# Altium PCB APB.PcbDoc (part 2 of 3)
Units mm, origin at the board's own origin, x right, y up, seen from the top; angles counter-clockwise.
Board outline 70 x 120 mm, 4 copper layers (Top Layer, Internal Plane 1, Internal Plane 2, Bottom Layer); 191 components, 179 nets, 920 pads, 302 vias.
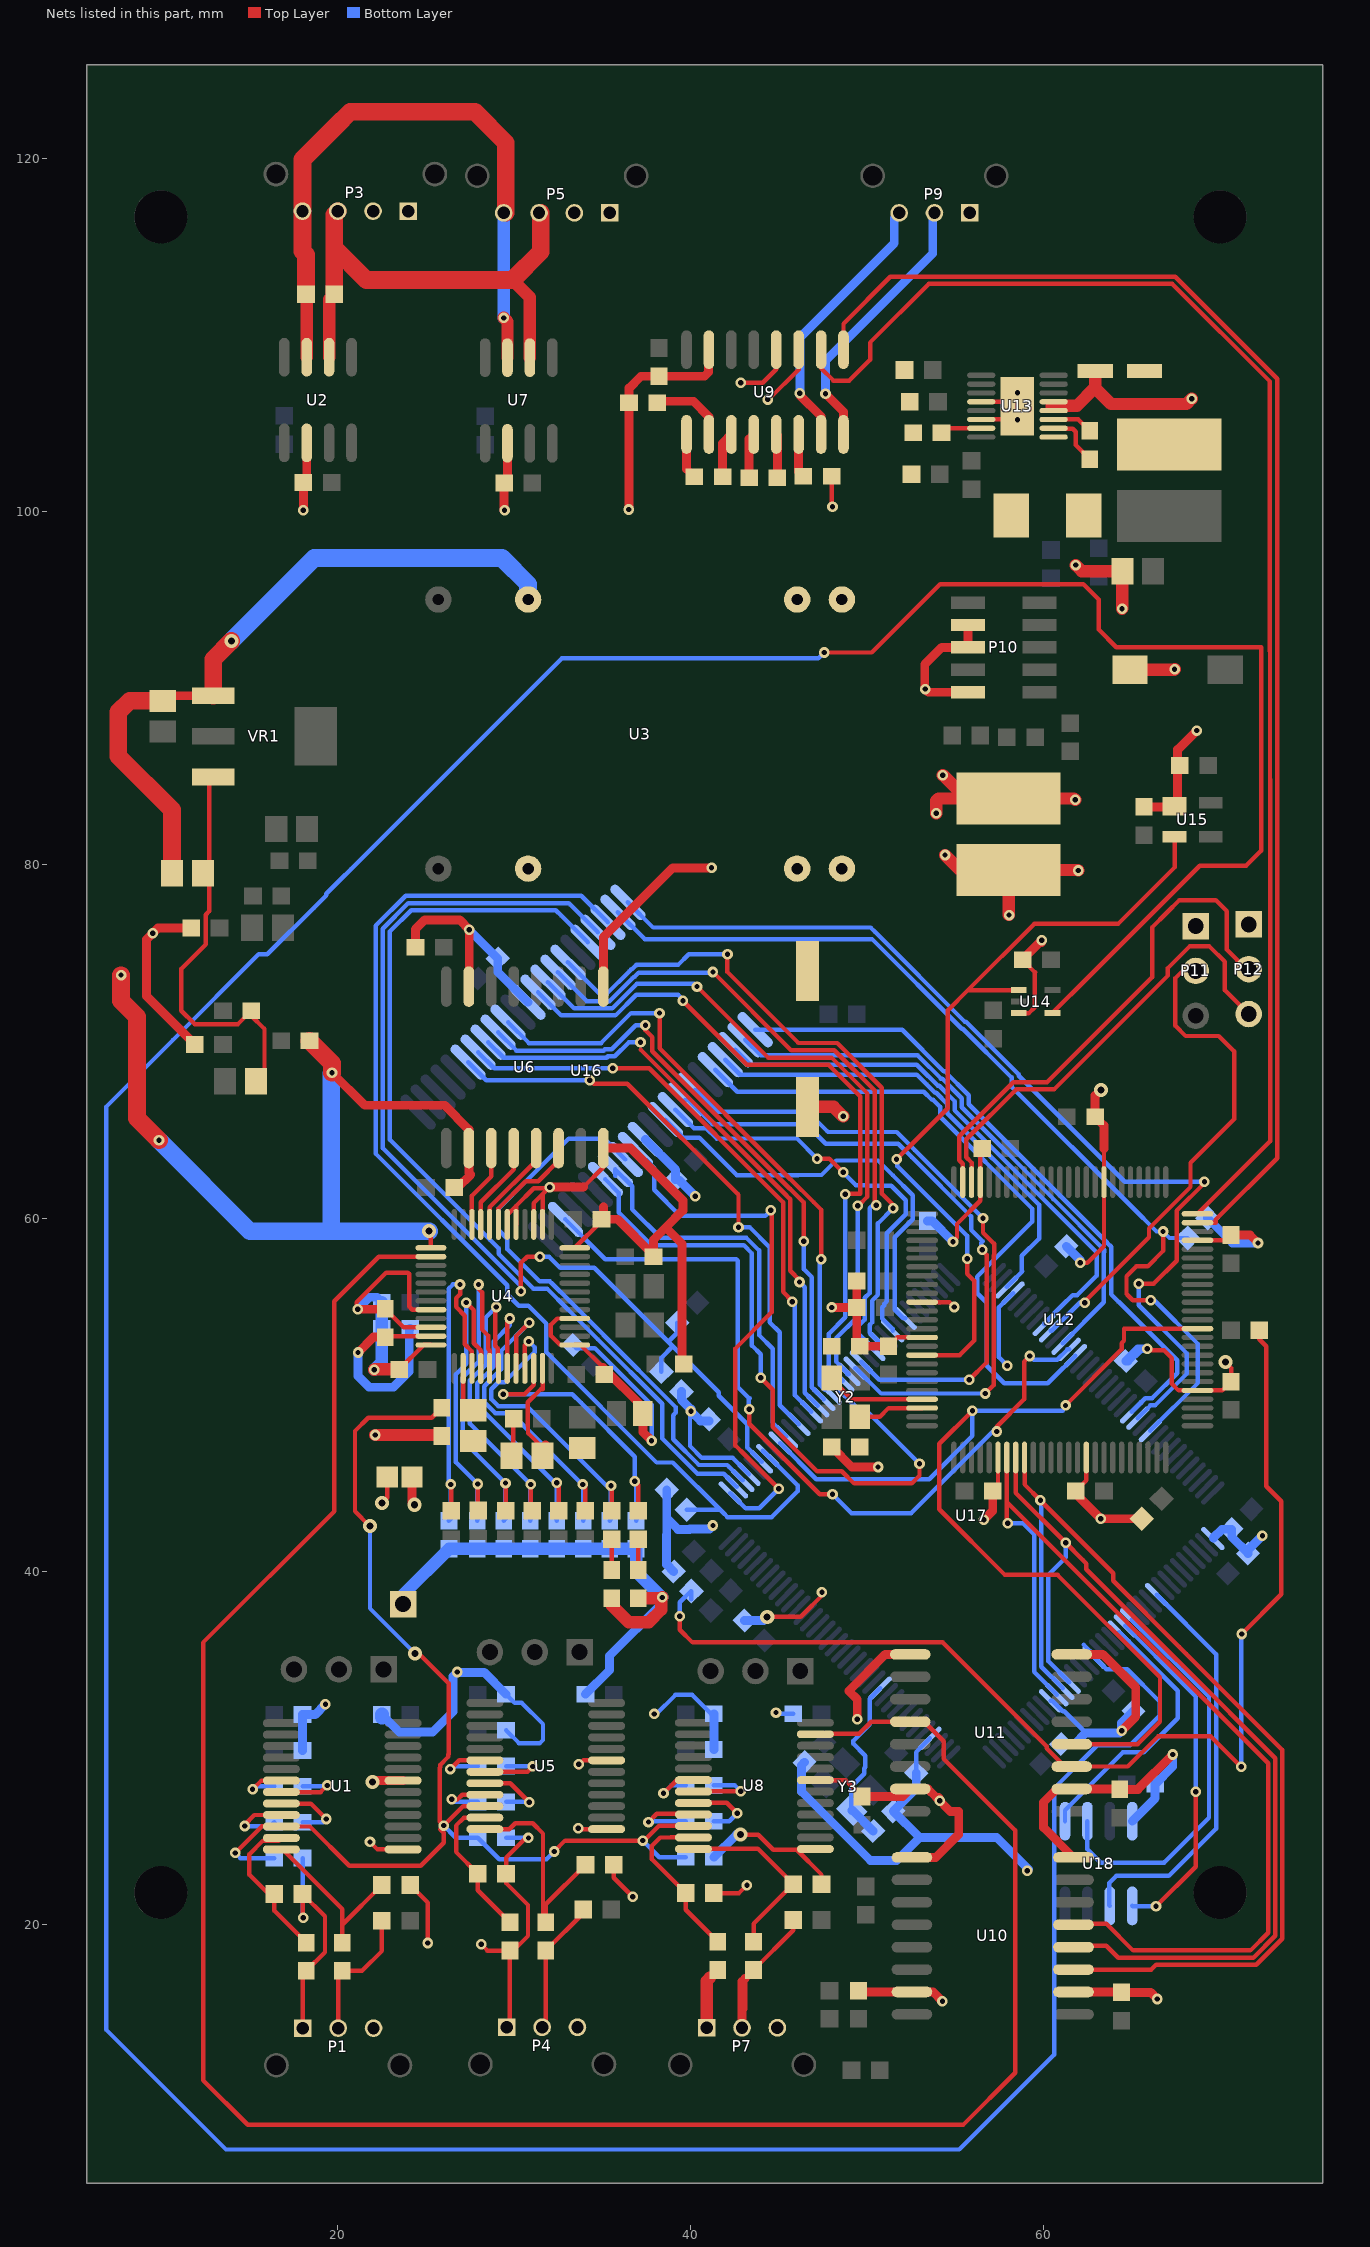
[diagram p4: the nets of this part, all layers, seen from the top]

## Via types
v1: diameter 0.6, hole 0.3, Top Layer to Bottom Layer, tented both sides, 287 vias
v2: diameter 0.8, hole 0.4, Top Layer to Bottom Layer, tented both sides, 14 vias
v3: diameter 0.8, hole 0.4, Top Layer to Bottom Layer, 1 vias

## Nets (pads, with @x,y where several pads share a name; then routed paths per layer and width w, separated by ;. In a path a pad name is that pad's centre, name@x,y a point inside that pad or via, vN(x,y) a via of type N, cw(c..) or ccw(c..) an arc to the next point about the centre after c; other vN are vias at no path point) (continued)
A5: U16.18 U17.38 | length 53.4
  Bottom Layer w0.25: 22.969,69.45 22.969,76.228 24.18,77.439 32.368,77.439 32.689,77.118 ; 28.663,58.751 29.128,58.286 29.128,57.969 31.092,56.004 31.874,56.004 ; 33.038,54.84 33.065,54.813 34.733,53.145 ; 38.394,48.771 38.394,47.51 40.394,45.51 41.876,45.51 U17.38@42.607,44.779
  Bottom Layer w0.254: 22.969,69.45 22.969,64.445 28.663,58.751 ; 31.874,56.004 33.038,54.84 ; 32.689,77.118 U16.18@34.189,75.618 ; 34.733,53.145 38.394,49.485 38.394,48.771
A6: R37.2 R38.1 U16.19 U17.42 | length 61
  Top Layer w0.25: 30.744,57.81 v1(31.469,57.81)
  Top Layer w0.254: v1(30.394,55.86) 30.394,57.46 30.744,57.81
  Bottom Layer w0.25: 22.565,69.575 22.565,76.39 24.014,77.839 33.099,77.839 33.2,77.739 ; v1(31.469,57.81) 31.986,57.81 32.611,57.185 34.547,57.185 38.745,52.986 ; R37.2@38.353,51.3 38.353,52.09 38.997,52.735 38.745,52.986 ; R38.1@39.253,54.069 39.253,53.494 38.745,52.986
  Bottom Layer w0.254: 22.565,69.575 22.565,63.964 v1@30.394,56.135 ; 33.2,77.739 U16.19@34.755,76.183 ; 38.997,52.735 41.602,50.129 41.602,49.926 43.219,48.31 43.219,46.996 U17.42@44.021,46.193
A7: R40.2 U16.20 U17.43 | length 67.1
  Bottom Layer w0.25: 22.161,63.649 29.615,56.195 29.615,55.681 ; 22.161,69.994 22.161,76.552 23.869,78.26 33.81,78.26 33.927,78.143 ; 30.819,55.028 31.839,54.007 31.839,53.949 31.839,52.389 38.077,46.151 39.002,46.151 ; R40.2@39.784,43.469 41.684,43.469 41.848,43.305 ; 42.092,43.062 44.274,43.062
  Bottom Layer w0.254: 22.161,63.649 22.161,69.994 ; 29.615,55.681 30.268,55.028 30.819,55.028 ; 33.927,78.143 U16.20@35.321,76.749 ; 39.002,46.151 41.684,43.469 ; 41.848,43.305 42.092,43.062 ; 44.274,43.062 44.276,43.06 44.422,43.06 44.594,43.06 46.069,44.535 46.069,44.853 U17.43@44.375,46.546 ; U17.43@44.375,46.546 44.097,46.825 U17.43@44.375,46.546
A8: R44.2 U16.21 U17.98 | length 56.3
  Top Layer w0.25: 64.737,55.654 64.695,55.696 64.695,56.703 65.252,57.26 65.894,57.26 66.769,58.135 v1(66.769,59.235)
  Top Layer w0.254: 64.737,55.654 65.056,55.335 v1(66.069,55.335) v1@66.129,55.395
  Bottom Layer w0.25: 64.969,60.659 66.394,59.235 v1(66.769,59.235) 66.769,59.23 67.13,58.869 R44.2@68.153,58.869
  Bottom Layer w0.254: U16.21@35.886,77.315 37.399,75.802 50.28,75.802 55.355,70.727 55.422,70.727 58.186,67.963 58.186,67.443 64.969,60.659 ; U17.98@66.048,47.96 68.744,50.656 68.744,52.867 66.276,55.335 v1(66.069,55.335)
A9: U16.22 U17.96 | length 57.1
  Top Layer w0.25: v1(65.394,56.285) 66.244,56.285 67.544,57.585 67.544,60.419 69.11,61.986 v1(69.11,62.051)
  Bottom Layer w0.25: 61.941,64.712 64.602,62.051 v1(69.11,62.051)
  Bottom Layer w0.254: U16.22@36.452,77.88 37.877,76.455 50.198,76.455 50.447,76.206 55.523,71.131 55.59,71.131 58.59,68.131 58.59,68.064 61.941,64.712 ; U17.96@65.341,48.668 66.054,49.381 66.311,49.381 68.119,51.188 68.119,52.327 65.392,55.054 v1@65.392,56.283
A10: U16.23 U17.95 | length 37.8
  Bottom Layer w0.25: 63.597,58.603 63.825,58.375 63.825,57.894 63.819,57.888
  Bottom Layer w0.254: U16.23@43.664,70.668 51.986,70.668 54.351,68.303 54.418,68.303 55.762,66.959 55.762,66.438 63.597,58.603 ; 63.819,57.888 63.819,55.685 64.242,55.262 64.249,55.262 64.646,54.865 64.646,54.858 67.569,51.935 67.569,51.21 66.144,49.785 65.751,49.785 U17.95@64.987,49.021
A11: U16.24 U17.84 | length 31.8
  Bottom Layer w0.254: U16.24@43.099,70.102 43.992,69.21 52.873,69.21 52.99,69.092 54.184,67.899 54.251,67.899 55.358,66.792 55.358,66.725 55.358,66.271 60.556,61.073 63.423,58.206 63.423,58.063 63.415,58.055 63.415,55.227 U17.84@61.098,52.91
A12: U16.25 U17.81 | length 31
  Bottom Layer w0.25: 61.033,55.024 61.644,55.635 61.907,55.635
  Bottom Layer w0.254: U16.25@42.533,69.537 43.382,68.688 52.823,68.688 52.992,68.519 54.016,67.495 54.084,67.495 54.954,66.625 54.954,66.557 54.954,66.104 63.011,58.047 63.011,56.738 61.907,55.635 ; U17.81@60.037,53.971 60.037,54.028 61.033,55.024
A13: U16.26 U17.75 | length 26.9
  Bottom Layer w0.25: 58.801,56.977 58.769,57.01 58.769,57.86 59.748,58.839
  Bottom Layer w0.254: U16.26@41.967,68.971 42.823,68.115 52.825,68.115 53.376,67.564 53.849,67.091 53.916,67.091 54.55,66.457 54.55,66.39 54.55,65.936 59.748,60.738 59.748,60.603 59.748,58.839 ; U17.75@57.916,56.092 58.801,56.977
A14: U16.27 U17.86 | length 38
  Bottom Layer w0.25: 56.776,55.202 56.776,51.627 57.769,50.635 60.237,50.635 60.462,50.86
  Bottom Layer w0.254: U16.27@41.402,68.405 42.647,67.16 53.209,67.16 53.682,66.687 53.749,66.687 54.146,66.29 54.146,66.223 54.146,65.769 54.146,65.733 59.344,60.535 59.344,59.785 56.244,56.685 56.244,55.735 56.776,55.202 ; 60.462,50.86 U17.86@61.805,52.203
A15: U16.42 U17.85 | length 46.5
  Top Layer w0.254: v1(43.322,49.174) 43.322,48.349 46.86,44.812 47.312,44.36 v1(48.044,44.36) v1@48.119,44.285 ; v1(57.344,47.91) 57.344,48.185 58.894,49.735 58.894,51.86 v1(59.219,52.185)
  Bottom Layer w0.254: U16.42@32.916,59.92 35.176,57.661 42.582,57.661 42.672,57.571 42.672,50.428 43.294,49.806 ; v1(43.322,49.174) 43.294,49.203 43.294,49.806 ; 43.369,49.785 43.315,49.785 43.294,49.806 ; v1(48.044,44.36) 48.119,44.285 49.119,43.285 52.494,43.285 57.344,48.135 57.344,48.184 v1(57.344,47.91) ; v1(59.219,52.185) 59.432,51.971 60.762,51.971 61.348,52.557 U17.85@61.452,52.557
AGND: C1.1 C3.2 C7.2 C11.1 C13.1 C16.1 C17.1 C18.2 C22.1 C24.1 C27.1 C28.2 C32.2 C60.1 C62.2 C64.2 C65.1 C66.2 C67.1 C70.2 C71.1 C73.1 C74.2 C75.1 C76.1 C77.2 C78.1 C79.1 C80.1 C81.1 C82.1 C83.1 C85.2 C87.2 C89.1 C94.2 J1.1 NT1.2 P1.1 P1.3 P4.1 P4.3 P7.1 P7.3 R1.1 R4.1 R5.1 R11.1 R15.1 R18.1 U1.1 U4.1 U4.4 U4.32 U4.34 U4.36 U5.1 U8.1 | length 167.7
  Top Layer w0.25: v1(18.069,20.36) 18.024,20.404 R1.1@18.024,21.714 19.294,20.444 19.294,18.411 C7.2@18.24,17.358 ; v1@21.082,54.896 21.082,55.223 22.767,56.908 23.994,56.908 ; v1(21.844,24.66) 22.269,24.235 U1.1@23.722,24.235 ; v2(22.519,43.86) 22.819,44.159 NT1.2@22.819,45.335 ; C11.1@22.706,54.851 23.748,53.809 U4.34@25.294,53.809 ; C13.1@23.506,51.427 24.889,52.81 U4.36@25.294,52.81 ; 24.069,56.833 24.069,54.985 24.244,54.809 U4.32@25.294,54.809 ; R4.1@24.12,22.222 25.119,21.223 v1(25.119,18.935) ; C18.2@29.767,18.505 29.964,18.505 30.794,19.335 30.794,21.085 29.551,22.327 R5.1@29.551,22.861 29.551,23.767 30.669,24.885 v1(30.819,24.885) ; U4.1@32.618,52.809 32.094,53.333 32.094,53.96 32.444,54.31 U4.4@33.444,54.31 ; U4.1@33.444,52.81 33.773,52.81 C24.1@35.056,51.527 ; v1(33.644,25.435) 33.696,25.382 U5.1@35.249,25.382 ; R11.1@35.647,23.369 35.647,22.622 v1(36.722,21.547) ; R15.1@41.325,21.763 42.747,21.763 v1(43.194,22.21) ; v2(42.822,25.073) 43.83,25.073 44.694,24.21 46.019,24.21 ; U8.1@46.069,24.26 46.019,24.21 ; R18.1@47.421,22.271 47.421,22.808 46.019,24.21
  Top Layer w0.254: P1.1@18.044,14.11 18.044,17.161 C7.2@18.24,17.358 ; v1(28.144,18.86) 28.498,18.505 C18.2@29.767,18.505 29.767,14.336 P4.1@29.595,14.164 ; 41.09,15.168 41.09,16.956 C32.2@41.541,17.407
  Top Layer w0.5: C3.2@11.719,76.435 9.844,76.435 v1(9.544,76.135) 9.194,75.785 9.194,72.559 C1.1@11.919,69.835 ; v1(21.144,54.835) 22.689,54.835 C11.1@22.706,54.851 ; C24.1@35.056,51.527 37.306,49.277 C28.2@37.306,48.927 37.306,47.873 v1(37.794,47.385)
  Top Layer w0.7: v1(22.094,51.41) 22.111,51.427 C13.1@23.506,51.427 ; v1(22.144,47.71) 25.848,47.71 C16.1@25.906,47.652 ; C22.1@35.544,38.46 35.544,38.06 36.494,37.109 37.645,37.109 38.344,37.808 v1@38.344,38.46 ; C27.1@37.044,38.46 v1@38.344,38.46 ; v1(38.394,38.51) v1@38.344,38.46 ; P7.1@40.919,14.135 40.919,16.785 C32.2@41.09,16.956
  Bottom Layer w0.25: C60.1@18.024,23.746 18.024,20.404 v1(18.069,20.36) ; C73.1@29.551,24.893 30.66,24.893 30.669,24.885 v1(30.819,24.885) ; C74.2@29.551,30.989 30.281,30.26 31.469,30.26 31.644,30.435 31.644,31.335 30.444,32.535 30.038,32.535 C70.2@29.551,33.021 ; C82.1@33.353,52.8 33.52,52.633 34.58,52.633 37.794,49.42 v1(37.794,47.385) ; v1(37.944,31.91) 37.969,31.885 38.044,31.885 39.144,32.985 40.094,32.985 C87.2@41.155,31.923 ; v1(44.844,31.985) 44.905,31.923 C94.2@45.821,31.923
  Bottom Layer w0.5: C62.2@18.024,29.842 C64.2@18.024,31.874 18.733,31.874 v1(19.319,32.46) ; v1(21.144,54.835) 21.819,55.51 22.244,55.51 C67.1@22.519,55.234 ; C66.2@22.52,31.874 23.509,30.885 25.394,30.885 26.544,32.035 26.544,34.035 v1(26.794,34.285) 26.819,34.259 28.313,34.259 C70.2@29.551,33.021 ; C77.2@34.047,33.021 35.411,34.385 ; 35.419,34.385 35.411,34.385 ; v1(38.394,38.51) 38.394,38.185 35.411,35.202 35.411,34.385 ; C83.1@41.325,23.795 42.602,25.073 v2(42.822,25.073) ; C85.2@41.325,29.891 C87.2@41.325,31.923
  Bottom Layer w0.7: v1(22.094,51.41) 22.519,51.834 C65.1@22.519,53.735 C67.1@22.519,55.234 ; J1.1@23.719,38.135 23.719,38.66 C71.1@26.319,41.26 C76.1@27.919,41.26 C75.1@29.419,41.26 C79.1@30.919,41.26 C78.1@32.419,41.26 C81.1@33.919,41.26 C80.1@35.419,41.26 C89.1@36.919,41.26 36.919,39.984 v1(38.394,38.51)
  Bottom Layer w0.8: C66.2@22.52,31.721 C66.2@22.52,31.874
CAN.CAN_N: P3.3 P5.3 R3.2 U2.6 U7.6 | length 28.9
  Top Layer w0.7: U2.6@19.529,108.76 19.529,112.045 R3.2@19.819,112.335 ; 29.919,113.135 30.901,112.152 U7.6@30.901,108.732
  Top Layer w1: R3.2@19.819,112.335 19.819,114.958 ; 19.818,114.959 19.818,116.834 P3.3@20.019,117.034 ; 19.819,115.259 19.819,114.958 ; P5.3@31.519,116.935 31.519,114.735 29.919,113.135 21.642,113.135 19.819,114.958
CAN.CAN_P: P3.4 P5.4 R3.1 U2.7 U7.7 | length 36.9
  Top Layer w0.7: R3.1@18.219,112.335 18.259,112.294 U2.7@18.259,108.76 ; v1(29.419,110.985) 29.631,110.772 U7.7@29.631,108.732
  Top Layer w1: R3.1@18.219,112.335 18.219,114.558 18.019,114.758 P3.4@18.019,117.034 18.019,119.96 19.916,121.857 20.719,122.66 27.794,122.66 29.544,120.91 P5.4@29.544,116.935
  Bottom Layer w0.7: v1(29.419,110.985) P5.4@29.419,116.935
CM: C16.2 C17.2 C60.2 C73.2 C83.2 U1.22 U4.38 U5.22 U8.22 | length 71.7
  Top Layer w0.25: U1.22@16.822,25.535 18.444,25.535 20.669,23.31 24.719,23.31 26.019,24.61 26.019,25.185 25.819,25.385 v1(26.019,25.585) 25.794,25.81 25.794,28.86 25.819,28.885 25.819,29.023 26.269,29.473 26.269,29.61 26.294,29.635 26.294,33.648 24.607,35.335 v2(24.394,35.335) ; v2(21.844,42.56) 21.819,42.56 20.994,43.385 20.994,47.935 21.744,48.685 25.339,48.685 C16.2@25.906,49.252 ; U4.38@27.119,51.484 27.119,49.7 C17.2@27.706,49.113 ; v1(32.277,24.118) 32.894,24.735 v1(37.294,24.735) 37.382,24.735 38.231,25.584 U8.22@40.123,25.584
  Top Layer w0.254: v1(14.219,24.035) 15.719,25.535 U1.22@16.822,25.535 ; v1(26.019,25.585) 27.116,26.682 U5.22@28.349,26.682
  Bottom Layer w0.25: v2(21.844,42.56) 21.844,37.885 v2(24.394,35.335) ; C73.2@27.951,24.893 29.16,23.685 31.844,23.685 v1(32.277,24.118) ; v1(37.294,24.735) 38.233,23.795 C83.2@39.725,23.795
  Bottom Layer w0.254: v1(14.219,24.035) 14.508,23.746 C60.2@16.424,23.746 ; v1(26.019,25.585) 26.71,24.893 C73.2@27.951,24.893
DGND: C2.2 C4.1 C8.2 C14.1 C25.1 C29.1 C30.1 C42.1 C43.1 NT1.1 U1.7 U3.9 U3.16 U4.12 U4.14 U4.15 U4.17 U4.18 U4.25 U5.7 U6.2 U6.8 U8.7 U10.9 U10.15 U11.9 U11.15 VR1.1 | length 160.4
  Top Layer w0.25: v2(25.194,59.26) 25.294,59.159 U4.25@25.294,58.31 ; U4.18@29.619,59.635 29.619,60.185 30.119,60.685 ; U4.17@30.119,59.635 30.119,60.685 ; U4.15@31.119,59.635 31.119,60.846 31.619,61.346 ; U4.14@31.619,59.635 31.619,61.346 ; v1(32.022,61.749) v1@31.955,61.683 ; U4.12@33.444,58.31 34.956,59.821 C25.1@34.956,59.927 ; v1@33.669,29.012 33.939,29.282 U5.7@35.249,29.282 ; 33.944,61.76 35.064,62.88 U6.8@35.064,63.959 ; U8.7@47.069,28.16 48.794,28.16 C43.1@49.719,27.235 ; 30.119,60.685 31.117,61.683 v1@31.955,61.683 ; 31.619,61.346 v1@31.955,61.683
  Top Layer w0.5: C2.2@10.119,89.295 10.408,89.584 VR1.1@12.969,89.584 ; v1(19.694,68.235) 21.544,66.385 26.069,66.385 27.444,65.009 U6.2@27.444,63.959 27.444,62.559 27.544,62.46 26.819,61.735 C14.1@26.619,61.735 ; v2(21.996,28.048) 22.083,28.135 U1.7@23.722,28.135 ; NT1.1@24.219,45.335 24.219,43.91 v2(24.369,43.76) ; v1(32.022,61.749) 32.032,61.76 33.944,61.76 ; v1(33.669,29.06) 33.668,29.012 v1(33.669,29.06) ; 35.064,60.639 35.064,60.035 C25.1@34.956,59.927 35.867,59.927 37.906,57.888 37.906,58.771 38.594,59.46 ; U6.8@35.064,63.959 36.619,63.959 39.569,61.01 39.569,60.435 38.594,59.46 ; 39.519,52.235 39.519,58.535 38.594,59.46 ; v1(49.444,31.61) 49.444,32.735 48.969,33.21 51.039,35.279 U11.9@52.444,35.279 ; C42.1@49.519,16.235 49.594,16.159 U10.15@52.544,16.159 53.744,16.159 v1(54.269,15.635) ; C43.1@49.719,27.235 52.019,27.235 U11.15@52.444,27.659 53.444,27.659 v1@53.93,27.173 ; U10.9@52.544,23.779 53.889,23.779 55.194,25.085 55.194,26.385 54.719,26.385 v1@53.93,27.173 ; v1(54.111,26.992) 54.111,27.109 54.048,27.173 v1@53.93,27.173
  Top Layer w1: v1(7.744,73.76) 7.744,72.31 8.644,71.41 8.644,65.66 v1(9.894,64.41) ; C2.2@10.119,89.295 8.23,89.295 7.594,88.66 7.594,86.16 10.63,83.124 C4.1@10.63,79.535 ; VR1.1@12.969,89.584 12.969,91.66 v2(13.994,92.685) ; C8.2@18.419,70.035 19.694,68.76 v1(19.694,68.235)
  Bottom Layer w1: v1(9.894,64.41) 15.044,59.26 19.646,59.26 ; v2(13.994,92.685) 18.694,97.385 29.319,97.385 30.799,95.905 U3.9@30.799,95.035 ; v1(19.694,68.235) 19.646,68.187 19.646,59.26 ; v2(25.194,59.26) 19.646,59.26
FILTR: C11.2 C65.2 U4.35 | length 11.8
  Top Layer w0.25: C11.2@22.706,53.251 22.764,53.31 U4.35@25.294,53.31
  Top Layer w0.5: v1(21.169,52.385) 22.036,53.251 C11.2@22.706,53.251
  Bottom Layer w0.5: v1(21.169,52.385) 21.169,51.035 21.794,50.41 23.169,50.41 24.069,51.31 24.069,53.685 C65.2@24.119,53.735
FLASH_C\S\: U17.124 U18.1 | length 15.4
  Bottom Layer w0.25: U18.1@61.214,25.835 61.214,26.454 64.494,29.735 65.669,29.735 67.594,31.66 67.594,33.227 U17.124@64.28,36.541
FLASH_SCK: U17.118 U18.6 | length 23.3
  Bottom Layer w0.25: U18.6@63.754,21.035 63.719,21.07 63.719,22.335 64.119,22.735 67.094,22.735 69.769,25.41 69.769,35.295 U17.118@66.401,38.662
FLASH_SI: U17.123 U18.5 | length 19.8
  Top Layer w0.25: v1(66.369,21.01) 68.619,23.26 v1(68.619,27.51)
  Bottom Layer w0.25: U17.123@64.634,36.894 67.994,33.534 68.619,32.909 v1(68.619,27.51) ; U18.5@65.024,21.035 65.049,21.01 v1(66.369,21.01)
FLASH_SO: U17.122 U18.2 | length 22.9
  Bottom Layer w0.25: U18.2@62.484,25.835 62.484,24.245 63.244,23.485 66.825,23.485 66.872,23.531 69.369,26.028 69.369,32.866 U17.122@64.987,37.248
GND: C12.2 C15.1 C20.2 C26.2 C31.2 C33.2 C36.2 C37.2 C38.1 C40.1 C41.2 C44.2 C45.1 C46.1 C47.2 C48.2 C50.1 C51.2 C52.2 C53.1 C54.1 C55.2 C56.2 C57.2 C58.2 C59.2 C72.1 C88.2 C90.1 C91.2 C92.2 C93.1 C95.1 C96.2 C97.2 C98.2 C99.2 C100.1 C101.2 C102.2 C103.2 C104.2 P3.1 P5.1 P9.1 P10.3 P10.5 P10.9 P11.1 P12.1 R24.1 R25.1 R26.1 R32.1 R37.1 R40.1 R44.1 S1.2 U2.2 U3.2 U3.3 U6.9 U6.15 U7.2 U9.15 U10.2 U10.8 U11.2 U11.8 U12.11 U12.15 U12.31 U12.41 U12.55 U12.72 U12.83 U12.97 U13.12 U13.14 U13.17 U14.3 U15.1 U16.12 U16.34 U17.4 U17.40 U17.76 U17.109 U17.135 U18.4 | length 239.7
  Top Layer w0.25: v2(44.344,37.41) 46.244,37.41 47.594,38.76 47.544,38.81 v1(47.444,38.81) ; C41.2@47.994,102.01 47.994,100.335 v1(48.044,100.285) ; C46.1@51.219,52.735 51.718,53.234 U12.15@53.119,53.234 ; U12.11@53.119,55.234 54.669,55.234 v1(54.944,54.96) ; v1(54.869,58.66) 55.094,58.885 55.094,59.66 56.419,60.985 U12.97@56.419,62.035 C47.2@56.419,63.935 ; U13.14@56.469,105.234 57.769,105.234 U13.17@58.519,105.985 58.269,106.234 U13.12@56.469,106.234 ; C45.1@57.119,44.534 57.419,44.835 U12.31@57.419,46.435 ; U14.3@58.594,71.61 59.169,71.61 59.494,71.935 59.494,73.885 ; C48.2@58.969,74.46 59.519,73.91 ; C50.1@61.819,44.534 62.419,45.134 U12.41@62.419,46.435 ; v1(62.069,57.46) 62.484,57.46 63.419,58.394 U12.83@63.419,62.035 63.419,63.935 ; v1(65.874,52.599) 65.963,52.51 66.819,52.51 67.269,52.06 67.269,50.61 67.644,50.235 U12.55@68.719,50.235 70.118,50.235 C58.2@70.619,50.735 70.619,51.504 70.294,51.829 v2(70.294,51.835) ; U12.72@68.719,58.735 70.318,58.735 C59.2@70.619,59.035
  Top Layer w0.5: v1(18.069,100.085) C12.2@18.069,101.659 18.259,101.85 U2.2@18.259,103.91 ; C15.1@24.419,75.335 24.419,76.359 24.944,76.885 26.919,76.885 v1(27.469,76.335) 27.469,73.134 U6.15@27.444,73.109 ; v1(29.469,100.085) 29.441,100.112 C20.2@29.441,101.632 29.631,101.822 U7.2@29.631,103.882 ; U6.9@35.064,73.109 35.064,75.905 38.994,79.835 v1(41.194,79.835) ; v1(36.494,100.135) 36.519,100.159 C31.2@36.519,106.185 36.519,107.009 37.194,107.685 C26.2@38.219,107.685 40.794,107.685 41.019,107.91 41.019,109.16 U9.15@41.044,109.185 ; C36.2@47.994,47.035 49.129,45.899 v1(50.623,45.899) ; v1(47.994,54.935) C38.1@49.419,54.935 ; C40.1@49.419,56.434 C38.1@49.419,54.935 ; C46.1@51.219,52.735 C37.2@49.594,52.735 49.419,52.91 C38.1@49.419,54.935 ; P10.9@55.719,89.785 53.469,89.785 v1(53.294,89.96) 53.269,89.985 53.269,91.36 54.231,92.322 P10.5@55.719,92.322 P10.3@55.719,93.591 ; v1(56.619,42.91) 57.119,43.409 C45.1@57.119,44.534 ; C48.2@58.819,74.635 58.819,74.659 v1(59.894,75.735) v1@59.894,75.61 ; U11.8@61.594,35.279 63.349,35.279 65.219,33.41 65.219,31.76 v1(64.419,30.96) ; U10.2@61.694,16.159 64.394,16.159 C53.1@64.419,16.134 66.069,16.134 v1(66.444,15.76) ; U10.8@61.694,23.779 59.994,25.479 59.994,26.91 60.744,27.659 U11.2@61.594,27.659 64.294,27.659 C54.1@64.319,27.635 65.344,27.635 v1(67.319,29.61) ; C50.1@61.819,44.534 61.819,44.385 v1(63.244,42.96) 63.253,42.969 R32.1@65.553,42.969 ; v3(63.244,67.26) 62.919,66.935 C51.2@62.919,65.734 63.419,65.234 63.419,63.935 ; C55.2@65.694,83.285 67.384,83.285 U15.1@67.418,83.32 67.594,83.495 67.594,85.085 67.594,86.535 v1(68.669,87.61) ; C59.2@70.619,59.035 71.694,59.035 v1(72.144,58.585)
  Top Layer w0.7: C33.2@46.619,66.297 48.107,66.297 v1(48.644,65.76) ; v1(61.819,96.985) 62.169,96.635 C56.2@64.458,96.635 64.458,94.524 v1(64.444,94.51) ; S1.2@64.894,91.061 67.395,91.061 v1(67.419,91.085)
  Bottom Layer w0.25: v1(40.022,49.049) 39.969,48.995 39.969,47.085 40.644,46.41 42.39,46.41 U17.40@43.314,45.486 ; v2@44.134,37.2 v2(44.344,37.41) ; C96.2@52.784,28.569 52.784,28.76 52.784,29.747 U17.4@53.567,30.53 ; v1(57.944,51.635) 57.469,52.11 57.469,54.938 U17.76@58.27,55.739
  Bottom Layer w0.254: U17.135@60.391,32.652 60.494,32.652 61.08,32.066 61.162,32.066 62.394,30.835
  Bottom Layer w0.5: v1(27.469,76.335) 27.469,76.316 C72.1@29.084,74.7 29.084,73.935 U16.12@30.795,72.224 ; U16.34@37.442,64.445 39.153,62.734 C90.1@39.153,62.169 39.334,62.169 v1(40.269,61.235) ; R40.1@38.653,44.6 38.653,43.023 38.653,43 ; C88.2@39.053,39.969 38.644,40.378 38.644,42.06 38.653,42.069 38.653,43 ; R37.1@39.484,50.169 39.484,49.71 40.022,49.172 v1(40.022,49.049) 40.571,48.5 C92.2@41.053,48.5 ; v1(41.269,42.585) 41.069,42.385 39.973,42.385 39.95,42.362 39.291,42.362 38.653,43 ; C91.2@43.053,37.2 v2@44.134,37.2 ; C93.1@46.453,29.169 46.286,29.002 46.286,27.517 50.194,23.61 51.675,23.61 52.975,24.91 ; C96.2@52.784,28.569 52.784,27.7 C95.1@51.484,26.4 52.975,24.91 ; C97.2@53.419,59.835 53.694,59.835 v1(54.869,58.66) ; v1(59.069,23.035) 59.144,23.11 57.344,24.91 57.069,24.91 52.975,24.91 ; C98.2@60.984,30.2 61.759,30.2 62.394,30.835 64.294,30.835 v1(64.419,30.96) 64.419,31.403 C101.2@65.084,32.069 ; C99.2@61.284,58.4 62.069,57.616 v1(62.069,57.46) ; U18.4@65.024,25.835 66.319,27.13 C100.1@66.319,27.934 67.319,28.935 v1(67.319,29.61) ; 65.41,52.531 64.78,51.9 C102.2@64.653,51.9 65.352,52.599 v1(65.874,52.599) ; R44.1@69.284,60 70.7,58.585 v1(72.144,58.585) ; U17.109@69.619,41.879 70.108,42.369 C104.2@70.653,42.369 70.653,41.932 C103.2@71.584,41 71.584,41.2 v1(72.394,42.01)